# KiCad board data-center-dram-tester.kicad_pcb (continued)
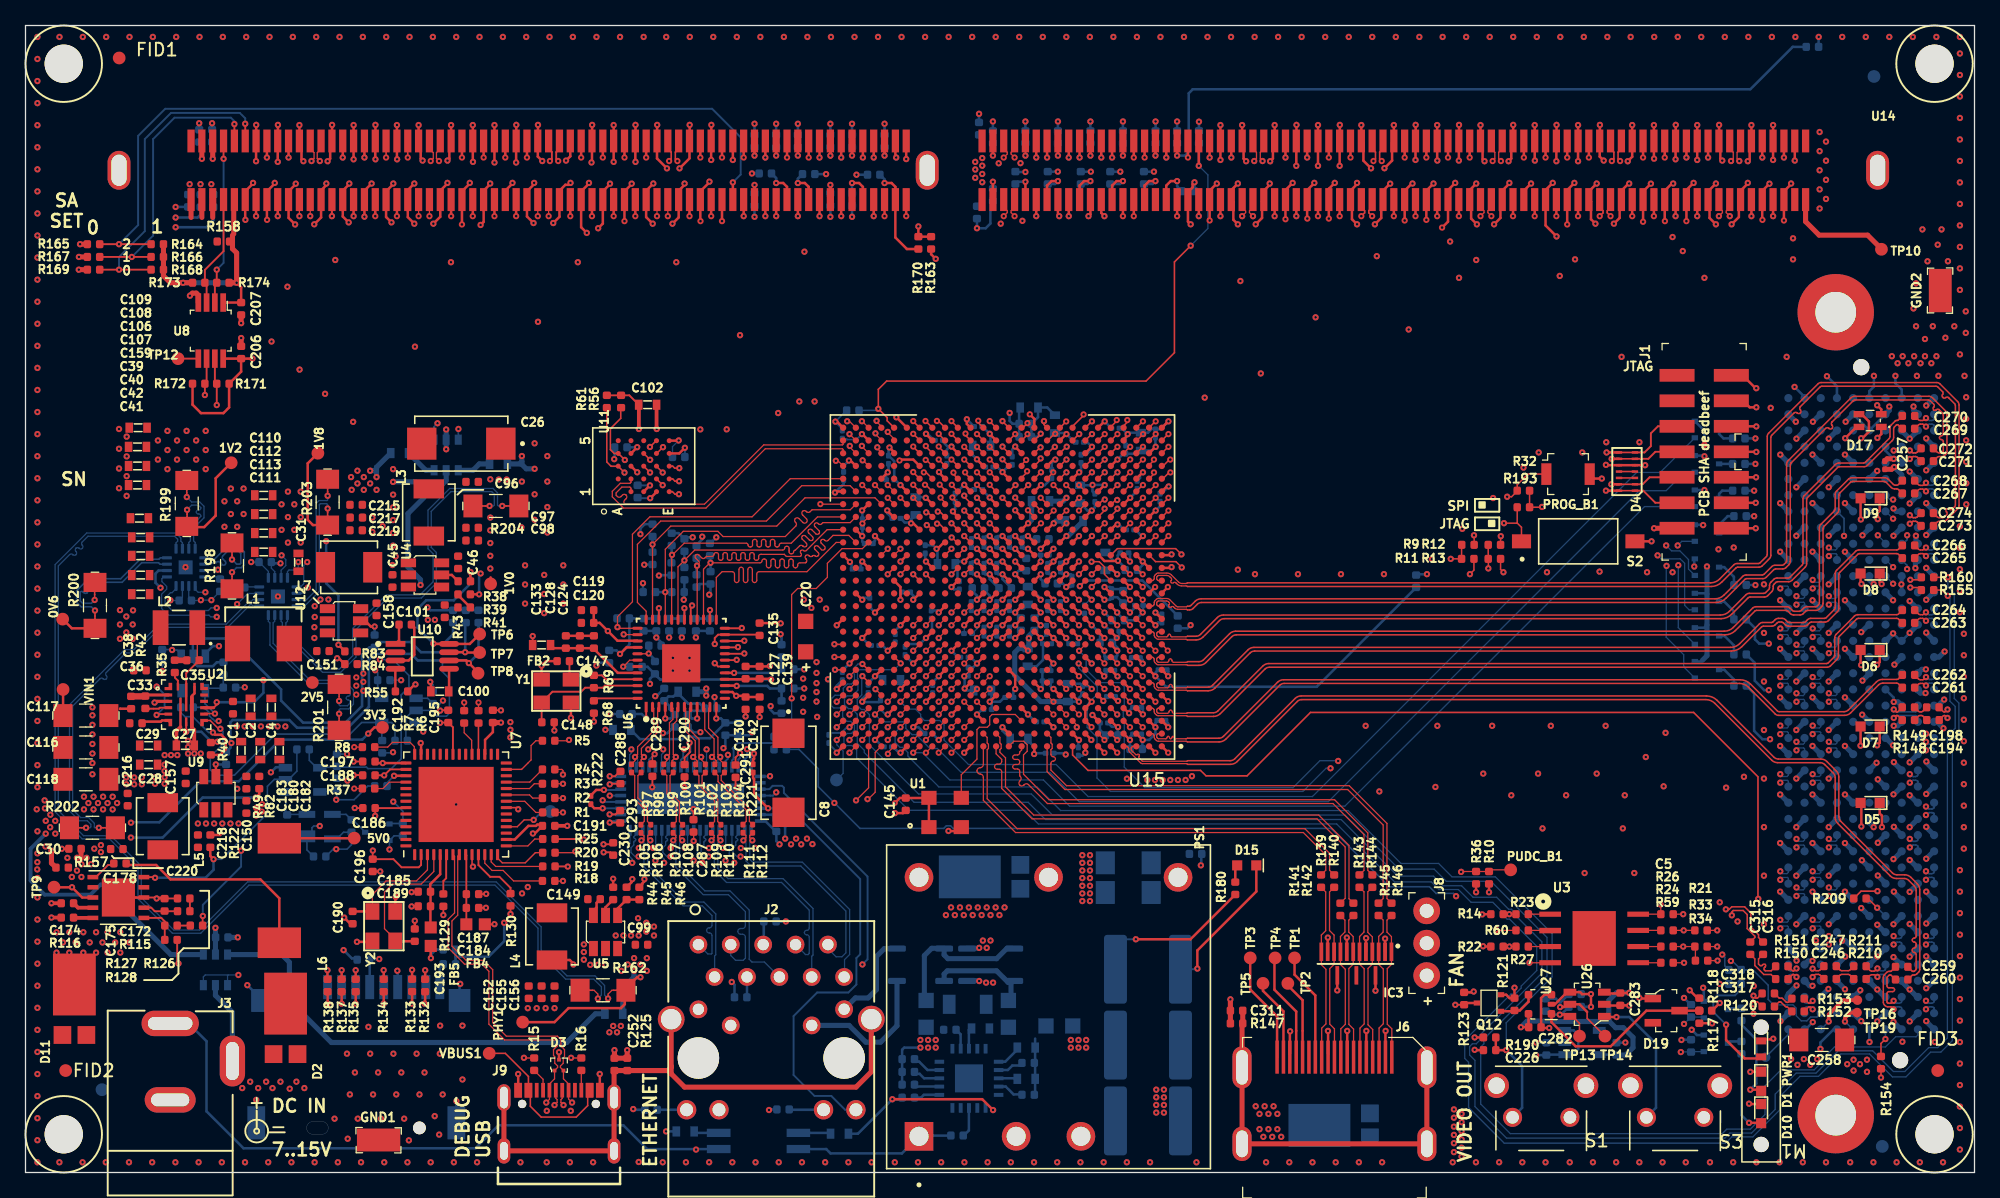
[diagram p0: board, top side]
## Routing (per net, layer and track width the routed paths; a pad name or vN(x,y) marks a point on that pad's centre or on a via; arc(x,y) is an arc through that point) (continued)
DQ42: length 57.9
  Top w0.127: U15.AC16 v2(73.64,55.94)
  Top w0.2: U14.115 v2(37.64,79.64)
  In2.Cu w0.1: 64.81,60.5 64.81,59.4 65.13,59.08 65.13,56.79 65.55,56.36 65.99,56.36 66.57,55.78 67.72,55.78 68.44,55.07 68.81,55.07 69.39,54.48 72.04,54.48 72.24,54.68 72.24,55.03 72.62,55.41 73.11,55.41 v2(73.64,55.94)
  In2.Cu w0.16: v2(37.64,79.64) 37.64,68.57 44.11,62.1 63.55,62.1 64.81,60.84 64.81,60.5
DQ43: length 58.4
  Top w0.127: U15.AB15 v2(74.64,54.94)
  Top w0.2: U14.260 v2(36.79,75.04)
  In2.Cu w0.1: 63.9,60.5 63.9,59.43 64,59.33 64,56.9 64.46,56.44 64.76,56.44 65.15,56.05 65.15,55.65 65.37,55.43 67.71,55.43 68.42,54.72 68.57,54.72 69.14,54.15 69.14,53.79 69.43,53.5 72.8,53.5 73.08,53.79 73.08,54.08 73.55,54.54 74.24,54.54 v2(74.64,54.94)
  In2.Cu w0.16: 63.9,60.5 63.9,60.7 63.4,61.2 59.9,61.2 arc(59.74,61.13) 59.68,60.97 59.68,60.95 arc(59.61,60.79) 59.45,60.72 arc(59.29,60.79) 59.22,60.95 59.22,61.45 arc(59.16,61.61) 59,61.68 arc(58.84,61.61) 58.78,61.45 58.78,60.95 arc(58.71,60.79) 58.55,60.72 arc(58.39,60.79) 58.32,60.95 58.32,60.97 arc(58.26,61.13) 58.1,61.2 43.46,61.2 36.79,67.87 v2(36.79,75.04)
DQ44: length 59.4
  Top w0.127: U15.AC14 v2(75.64,55.94)
  Top w0.2: U14.106 v2(45.29,79.64)
  In2.Cu w0.1: 73.23,60.46 73.17,60.4 73.17,57.87 73.58,57.46 73.91,57.46 74.12,57.25 74.12,56.66 74.3,56.48 74.73,56.48 75.27,55.94 v2(75.64,55.94)
  In2.Cu w0.16: v2(45.29,79.64) 45.29,74.31 49.1,70.5 52.2,70.5 arc(52.38,70.43) 52.45,70.25 52.45,70.2 arc(52.52,70.02) 52.7,69.95 arc(52.88,70.02) 52.95,70.2 52.95,70.8 arc(53.02,70.98) 53.2,71.05 arc(53.38,70.98) 53.45,70.8 53.45,70.2 arc(53.52,70.02) 53.7,69.95 arc(53.88,70.02) 53.95,70.2 53.95,70.8 arc(54.02,70.98) 54.2,71.05 arc(54.38,70.98) 54.45,70.8 54.45,70.2 arc(54.52,70.02) 54.7,69.95 arc(54.88,70.02) 54.95,70.2 54.95,70.8 arc(55.02,70.98) 55.2,71.05 arc(55.38,70.98) 55.45,70.8 55.45,70.2 arc(55.52,70.02) 55.7,69.95 arc(55.88,70.02) 55.95,70.2 55.95,70.8 arc(56.02,70.98) 56.2,71.05 arc(56.38,70.98) 56.45,70.8 56.45,70.2 arc(56.52,70.02) 56.7,69.95 arc(56.88,70.02) 56.95,70.2 56.95,70.8 arc(57.02,70.98) 57.2,71.05 arc(57.38,70.98) 57.45,70.8 57.45,70.2 arc(57.52,70.02) 57.7,69.95 arc(57.88,70.02) 57.95,70.2 57.95,70.25 arc(58.02,70.43) 58.2,70.5 67.8,70.5 73.23,65.07 73.23,60.46
DQ45: length 56.1
  Top w0.127: v2(73.64,56.94) U15.AD16
  Top w0.2: U14.251 v2(44.44,75.04)
  In2.Cu w0.1: v2(73.64,56.94) 73.11,57.47 72.44,57.47 72.13,57.78 72.13,60.47
  In2.Cu w0.16: 72.13,60.47 72.13,61.17 arc(72.05,61.36) 71.85,61.44 71.82,61.44 arc(71.62,61.53) 71.54,61.72 arc(71.62,61.91) 71.82,62 72.44,62 arc(72.64,62.08) 72.72,62.27 arc(72.64,62.46) 72.44,62.55 71.82,62.55 arc(71.62,62.63) 71.54,62.82 arc(71.62,63.01) 71.82,63.09 72.44,63.09 arc(72.64,63.18) 72.72,63.37 arc(72.64,63.56) 72.44,63.64 72.41,63.64 arc(72.21,63.73) 72.13,63.92 72.13,64.57 72.06,64.64 arc(71.86,64.72) 71.67,64.64 71.64,64.61 arc(71.45,64.53) 71.25,64.61 arc(71.17,64.81) 71.25,65 71.7,65.45 arc(71.78,65.64) 71.7,65.83 arc(71.5,65.91) 71.31,65.83 70.87,65.39 arc(70.67,65.31) 70.48,65.39 arc(70.4,65.59) 70.48,65.78 70.92,66.22 arc(71,66.42) 70.92,66.61 arc(70.72,66.69) 70.53,66.61 70.09,66.17 arc(69.89,66.09) 69.7,66.17 arc(69.62,66.36) 69.7,66.56 70.14,67 arc(70.22,67.2) 70.14,67.39 arc(69.95,67.47) 69.75,67.39 69.31,66.95 arc(69.12,66.87) 68.92,66.95 arc(68.84,67.14) 68.92,67.34 69.36,67.78 arc(69.44,67.97) 69.36,68.17 arc(69.17,68.25) 68.97,68.17 68.53,67.73 arc(68.34,67.64) 68.14,67.73 arc(68.06,67.92) 68.14,68.11 68.59,68.56 arc(68.67,68.75) 68.59,68.95 arc(68.39,69.03) 68.2,68.95 68.17,68.92 arc(67.98,68.84) 67.78,68.92 67.2,69.5 48.8,69.5 44.44,73.86 v2(44.44,75.04)
DQ46: length 53
  Top w0.127: U15.AC19 70.66,55.91 v2(70.61,55.91)
  Top w0.2: U14.113 v2(39.34,79.64)
  In2.Cu w0.1: v2(70.61,55.91) 70.6,55.92 69.1,55.92 68.6,56.42 67.58,56.42 67.3,56.7 67.3,57.37 67.14,57.53 67.14,58.68 67.2,58.75 67.2,59.19 66.95,59.45 66.74,59.45 66.46,59.73 66.46,60.48
  In2.Cu w0.16: v2(39.34,79.64) 39.34,69.76 45.08,64.02 55.22,64.02 arc(55.36,63.96) 55.42,63.82 55.42,63.81 arc(55.48,63.67) 55.62,63.61 arc(55.76,63.67) 55.82,63.81 55.82,63.82 arc(55.88,63.96) 56.02,64.02 56.07,64.02 arc(56.21,63.96) 56.27,63.82 56.27,63.77 arc(56.33,63.63) 56.47,63.57 arc(56.61,63.63) 56.67,63.77 56.67,63.82 arc(56.73,63.96) 56.87,64.02 56.92,64.02 arc(57.06,63.96) 57.12,63.82 57.12,63.77 arc(57.18,63.63) 57.32,63.57 arc(57.46,63.63) 57.52,63.77 57.52,63.82 arc(57.58,63.96) 57.72,64.02 63.88,64.02 66.46,61.44 66.46,60.48
DQ47: length 57.9
  Top w0.127: U15.AC17 v2(72.64,55.94)
  Top w0.2: U14.258 v2(38.49,75.04)
  In2.Cu w0.1: 65.65,60.5 65.65,59.82 66.2,59.27 66.2,56.8 66.86,56.14 67.68,56.14 68.39,55.43 72.13,55.43 v2(72.64,55.94)
  In2.Cu w0.16: v2(38.49,75.04) 38.49,69.21 44.66,63.04 58.14,63.04 arc(58.32,63.11) 58.39,63.29 58.39,63.35 arc(58.46,63.52) 58.64,63.6 arc(58.82,63.52) 58.89,63.35 58.89,62.73 arc(58.96,62.56) 59.14,62.48 arc(59.32,62.56) 59.39,62.73 59.39,63.35 arc(59.46,63.52) 59.64,63.6 arc(59.82,63.52) 59.89,63.35 59.89,62.73 arc(59.96,62.56) 60.14,62.48 arc(60.32,62.56) 60.39,62.73 60.39,63.35 arc(60.46,63.52) 60.64,63.6 arc(60.82,63.52) 60.89,63.35 60.89,62.73 arc(60.96,62.56) 61.14,62.48 arc(61.32,62.56) 61.39,62.73 61.39,63.35 arc(61.46,63.52) 61.64,63.6 arc(61.82,63.52) 61.89,63.35 61.89,62.73 arc(61.96,62.56) 62.14,62.48 arc(62.32,62.56) 62.39,62.73 62.39,63.35 arc(62.46,63.52) 62.64,63.6 arc(62.82,63.52) 62.89,63.35 62.89,63.29 arc(62.96,63.11) 63.14,63.04 63.66,63.04 65.65,61.05 65.65,60.5
DQ48: length 68.7
  Top w0.127: v3(74.64,53.96) 74.64,53.94 U15.AA15
  Top w0.2: U14.119 v3(34.24,79.64)
  In5.Cu w0.09: v3(74.64,53.96) 74.13,54.47 73.37,54.47 73.23,54.61 73.23,55.35 71.63,56.94 69.42,56.94 67.84,58.52 64.63,58.52 64.51,58.4 63.3,58.4 62.79,58.91 62.13,58.91
  In5.Cu w0.146: 62.13,58.91 59.09,58.91 58.32,59.68 arc(58.26,59.82) 58.32,59.96 arc(58.38,60.11) 58.32,60.25 58.29,60.28 arc(58.14,60.34) 58,60.28 57.72,60 arc(57.58,59.94) 57.44,60 57.4,60.04 arc(57.34,60.18) 57.4,60.32 57.69,60.6 arc(57.74,60.74) 57.69,60.88 57.65,60.92 arc(57.51,60.98) 57.37,60.92 57.08,60.64 arc(56.94,60.58) 56.8,60.64 56.77,60.67 arc(56.71,60.81) 56.77,60.95 57.05,61.24 arc(57.11,61.38) 57.05,61.52 57.01,61.56 arc(56.87,61.61) 56.73,61.56 56.45,61.27 arc(56.31,61.21) 56.16,61.27 56.13,61.31 arc(56.07,61.45) 56.13,61.59 56.41,61.87 arc(56.47,62.01) 56.41,62.16 56.38,62.19 arc(56.24,62.25) 56.09,62.19 55.81,61.91 arc(55.67,61.85) 55.53,61.91 55.49,61.94 arc(55.43,62.09) 55.49,62.23 55.78,62.51 arc(55.83,62.65) 55.78,62.79 55.74,62.83 arc(55.6,62.89) 55.46,62.83 55.17,62.55 arc(55.03,62.49) 54.89,62.55 54.86,62.58 arc(54.8,62.72) 54.86,62.86 55.14,63.15 arc(55.2,63.29) 55.14,63.43 55.1,63.46 arc(54.96,63.52) 54.82,63.46 54.54,63.18 arc(54.4,63.12) 54.26,63.18 54.22,63.22 arc(54.16,63.36) 54.22,63.5 54.5,63.78 arc(54.56,63.92) 54.5,64.07 54.47,64.1 arc(54.33,64.16) 54.18,64.1 arc(54.04,64.04) 53.9,64.1 53.5,64.5 44.8,64.5 44.66,64.64 arc(44.59,64.81) 44.66,64.99 arc(44.74,65.17) 44.66,65.34 44.59,65.41 arc(44.42,65.49) 44.24,65.41 arc(44.06,65.34) 43.89,65.41 41.09,68.22 arc(41.01,68.39) 41.08,68.57 41.1,68.58 arc(41.17,68.76) 41.1,68.94 arc(40.92,69.01) 40.74,68.94 40.36,68.56 arc(40.19,68.48) 40.01,68.56 arc(39.94,68.73) 40.01,68.91 40.39,69.29 arc(40.46,69.47) 40.39,69.64 arc(40.21,69.72) 40.04,69.64 39.66,69.26 arc(39.48,69.19) 39.3,69.26 arc(39.23,69.44) 39.3,69.62 39.68,70 arc(39.76,70.17) 39.68,70.35 arc(39.51,70.42) 39.33,70.35 39.32,70.34 arc(39.14,70.26) 38.96,70.34 34.24,75.06 v3(34.24,79.64)
DQ49: length 63.5
  Top w0.127: U15.AB17 72.79,54.79 v3(72.79,54.92)
  Top w0.2: U14.264 v3(33.39,75.04)
  In5.Cu w0.09: 62.14,58.3 62.6,58.3 62.9,58 63.56,58 64.04,57.52 68.17,57.52 68.97,56.72 71.31,56.72 72.79,55.25 v3(72.79,54.92)
  In5.Cu w0.146: v3(33.39,75.04) 33.39,74.41 33.61,74.19 arc(33.77,74.13) 33.92,74.19 33.95,74.22 arc(34.11,74.29) 34.27,74.22 arc(34.34,74.06) 34.27,73.9 33.9,73.53 arc(33.83,73.37) 33.9,73.21 arc(34.05,73.14) 34.21,73.21 34.59,73.59 arc(34.75,73.65) 34.91,73.59 arc(34.97,73.43) 34.91,73.27 34.53,72.89 arc(34.47,72.73) 34.53,72.57 arc(34.69,72.51) 34.85,72.57 35.23,72.95 arc(35.39,73.02) 35.54,72.95 arc(35.61,72.79) 35.54,72.63 35.17,72.26 arc(35.1,72.1) 35.17,71.94 arc(35.33,71.87) 35.49,71.94 35.86,72.31 arc(36.02,72.38) 36.18,72.31 arc(36.25,72.15) 36.18,72 35.8,71.62 arc(35.74,71.46) 35.8,71.3 arc(35.96,71.23) 36.12,71.3 36.5,71.68 arc(36.66,71.74) 36.82,71.68 arc(36.88,71.52) 36.82,71.36 36.44,70.98 arc(36.38,70.82) 36.44,70.66 arc(36.6,70.6) 36.76,70.66 37.14,71.04 arc(37.3,71.11) 37.45,71.04 arc(37.52,70.88) 37.45,70.72 37.43,70.69 arc(37.36,70.53) 37.43,70.38 40.69,67.11 arc(40.82,67.06) 40.94,67.11 arc(41.06,67.16) 41.19,67.11 41.26,67.04 arc(41.31,66.91) 41.26,66.79 41.01,66.54 arc(40.96,66.42) 41.01,66.29 41.08,66.22 arc(41.21,66.17) 41.33,66.22 41.58,66.47 arc(41.7,66.52) 41.83,66.47 41.9,66.4 arc(41.95,66.28) 41.9,66.15 41.65,65.9 arc(41.6,65.78) 41.65,65.66 41.72,65.59 arc(41.84,65.53) 41.97,65.59 42.21,65.83 arc(42.34,65.88) 42.46,65.83 42.53,65.76 arc(42.58,65.64) 42.53,65.52 42.28,65.27 arc(42.23,65.14) 42.28,65.02 42.36,64.95 arc(42.48,64.9) 42.6,64.95 42.85,65.2 arc(42.97,65.25) 43.1,65.2 43.17,65.13 arc(43.22,65) 43.17,64.88 42.92,64.63 arc(42.87,64.51) 42.92,64.38 42.99,64.31 arc(43.12,64.26) 43.24,64.31 43.49,64.56 arc(43.61,64.61) 43.73,64.56 43.81,64.49 arc(43.86,64.37) 43.81,64.24 arc(43.75,64.12) 43.81,64 44,63.8 53.14,63.8 58.64,58.3 62.14,58.3
DQ50: length 60.8
  Top w0.127: U15.AA19 70.62,53.96 v3(70.56,53.96) ; U14.126 v3(28.29,79.64)
  In5.Cu w0.09: 62.1,54.6 62.27,54.6 62.75,54.12 68.02,54.12 68.52,54.62 69.25,54.62 69.5,54.37 70.15,54.37 v3(70.56,53.96)
  In5.Cu w0.146: 62.1,54.6 62.1,54.6 56,54.6 51,59.6 39.1,59.6 28.29,70.41 v3(28.29,79.64)
DQ51: length 59.2
  Top w0.127: v3(69.64,53.96) 69.64,53.94 U15.AA20
  Top w0.2: U14.271 v3(27.44,75.04)
  In5.Cu w0.09: 62.17,54 62.4,54 62.63,53.77 68.05,53.77 68.3,53.52 69.2,53.52 v3(69.64,53.96)
  In5.Cu w0.146: 62.17,54 61.36,54 arc(61.15,53.91) 61.06,53.7 arc(60.97,53.49) 60.76,53.4 arc(60.55,53.49) 60.46,53.7 arc(60.37,53.91) 60.16,54 60.04,54 arc(59.83,53.91) 59.74,53.7 arc(59.65,53.49) 59.44,53.4 arc(59.23,53.49) 59.14,53.7 arc(59.05,53.91) 58.84,54 arc(58.63,53.91) 58.54,53.7 arc(58.45,53.49) 58.24,53.4 58.19,53.4 arc(57.98,53.49) 57.89,53.7 arc(57.8,53.91) 57.59,54 arc(57.38,53.91) 57.29,53.7 57.29,53.69 arc(57.2,53.48) 56.99,53.39 arc(56.78,53.48) 56.69,53.69 56.69,53.7 arc(56.6,53.91) 56.39,54 55.43,54 50.53,58.9 38.3,58.9 27.44,69.76 v3(27.44,75.04)
DQ52: length 68.5
  Top w0.127: U15.AA14 75.64,53.94 v3(75.64,53.96)
  Top w0.2: U14.117 v3(35.94,79.64)
  In5.Cu w0.09: v3(75.64,53.96) 73.18,56.41 73.18,57 72.64,57.54 70.01,57.54 69.03,58.52 69.03,59.47 68.15,60.35 62.65,60.35 62.36,60.06 62.12,60.06
  In5.Cu w0.146: v3(35.94,79.64) 35.94,76.36 45.17,67.13 arc(45.33,67.06) 45.49,67.13 45.61,67.25 arc(45.77,67.32) 45.93,67.25 arc(46,67.09) 45.93,66.94 45.36,66.37 arc(45.3,66.21) 45.36,66.05 arc(45.52,65.98) 45.68,66.05 45.81,66.18 arc(45.97,66.24) 46.12,66.17 46.4,65.9 54.5,65.9 54.71,65.69 arc(54.85,65.63) 54.99,65.69 arc(55.14,65.75) 55.28,65.69 arc(55.34,65.55) 55.28,65.41 54.99,65.12 arc(54.94,64.98) 54.99,64.84 arc(55.14,64.78) 55.28,64.84 55.56,65.12 arc(55.7,65.18) 55.84,65.12 arc(55.9,64.98) 55.84,64.84 55.56,64.56 arc(55.5,64.42) 55.56,64.27 arc(55.7,64.22) 55.84,64.27 56.13,64.56 arc(56.27,64.62) 56.41,64.56 arc(56.47,64.42) 56.41,64.27 56.13,63.99 arc(56.07,63.85) 56.13,63.71 arc(56.27,63.65) 56.41,63.71 56.69,63.99 arc(56.83,64.05) 56.97,63.99 arc(57.03,63.85) 56.97,63.71 56.69,63.43 arc(56.63,63.28) 56.69,63.14 arc(56.83,63.08) 56.97,63.14 57.26,63.43 arc(57.4,63.48) 57.54,63.43 arc(57.6,63.28) 57.54,63.14 57.26,62.86 arc(57.2,62.72) 57.26,62.58 arc(57.4,62.52) 57.54,62.58 57.82,62.86 arc(57.96,62.92) 58.11,62.86 arc(58.16,62.72) 58.11,62.58 57.82,62.29 arc(57.76,62.15) 57.82,62.01 arc(57.96,61.95) 58.11,62.01 58.39,62.29 arc(58.53,62.35) 58.67,62.29 arc(58.73,62.15) 58.67,62.01 58.39,61.73 arc(58.33,61.59) 58.39,61.45 arc(58.53,61.39) 58.67,61.45 58.95,61.73 arc(59.1,61.79) 59.24,61.73 arc(59.3,61.59) 59.24,61.45 58.95,61.16 arc(58.9,61.02) 58.95,60.88 arc(59.1,60.82) 59.24,60.88 59.52,61.16 arc(59.66,61.22) 59.8,61.16 arc(59.86,61.02) 59.8,60.88 59.52,60.6 arc(59.46,60.46) 59.52,60.31 arc(59.66,60.26) 59.8,60.32 arc(59.94,60.37) 60.09,60.31 60.34,60.06 62.12,60.06 62.12,60.06
DQ53: length 62.7
  Top w0.127: v3(73.7,54.94) 73.7,54.87 U15.AB16
  Top w0.2: U14.262 v3(35.09,75.04)
  In5.Cu w0.09: v3(73.7,54.94) 73.7,55.3 71.79,57.22 69.77,57.22 67.49,59.5 62,59.5
  In5.Cu w0.146: v3(35.09,75.04) 35.76,75.04 42.61,68.19 arc(42.69,68.01) 42.61,67.83 arc(42.54,67.66) 42.61,67.48 42.62,67.48 arc(42.79,67.41) 42.97,67.48 43.32,67.83 arc(43.5,67.91) 43.67,67.83 43.67,67.83 arc(43.75,67.66) 43.67,67.48 43.32,67.13 arc(43.25,66.95) 43.32,66.77 43.32,66.77 arc(43.5,66.7) 43.67,66.77 44.03,67.13 arc(44.2,67.2) 44.38,67.13 44.38,67.12 arc(44.45,66.95) 44.38,66.77 44.2,66.6 44.21,66.59 44.03,66.42 arc(43.96,66.24) 44.03,66.07 44.03,66.06 arc(44.21,65.99) 44.38,66.06 44.38,66.07 arc(44.56,66.14) 44.74,66.06 45.6,65.2 46.03,65.2 arc(46.17,65.14) 46.23,65 arc(46.29,64.86) 46.43,64.8 46.48,64.8 arc(46.62,64.86) 46.68,65 46.68,65.4 arc(46.74,65.54) 46.88,65.6 46.93,65.6 arc(47.07,65.54) 47.13,65.4 47.13,65 arc(47.19,64.86) 47.33,64.8 47.38,64.8 arc(47.52,64.86) 47.58,65 47.58,65.4 arc(47.64,65.54) 47.78,65.6 47.83,65.6 arc(47.97,65.54) 48.03,65.4 48.03,65 arc(48.09,64.86) 48.23,64.8 48.28,64.8 arc(48.42,64.86) 48.48,65 48.48,65.4 arc(48.54,65.54) 48.68,65.6 48.73,65.6 arc(48.87,65.54) 48.93,65.4 48.93,65 arc(48.99,64.86) 49.13,64.8 49.18,64.8 arc(49.32,64.86) 49.38,65 49.38,65.4 arc(49.44,65.54) 49.58,65.6 49.63,65.6 arc(49.77,65.54) 49.83,65.4 49.83,65 arc(49.89,64.86) 50.03,64.8 50.08,64.8 arc(50.22,64.86) 50.28,65 50.28,65.4 arc(50.34,65.54) 50.48,65.6 50.53,65.6 arc(50.67,65.54) 50.73,65.4 50.73,65 arc(50.79,64.86) 50.93,64.8 50.98,64.8 arc(51.12,64.86) 51.18,65 51.18,65.4 arc(51.24,65.54) 51.38,65.6 51.43,65.6 arc(51.57,65.54) 51.63,65.4 51.63,65 arc(51.69,64.86) 51.83,64.8 51.88,64.8 arc(52.02,64.86) 52.08,65 52.08,65.4 arc(52.14,65.54) 52.28,65.6 52.33,65.6 arc(52.47,65.54) 52.53,65.4 52.53,65 arc(52.59,64.86) 52.73,64.8 52.78,64.8 arc(52.92,64.86) 52.98,65 52.98,65.4 arc(53.04,65.54) 53.18,65.6 53.23,65.6 arc(53.37,65.54) 53.43,65.4 arc(53.49,65.26) 53.63,65.2 54.07,65.2 59.77,59.5 62,59.5
DQ54: length 58.6
  Top w0.127: U14.124 v3(29.99,79.64) ; v3(70.47,54.94) 70.64,54.94 U15.AB19
  In5.Cu w0.09: v3(70.47,54.94) 70.03,55.37 69.46,55.37 69.29,55.2 68.1,55.2 67.95,55.35 67.46,55.35 66.94,54.83 63.07,54.83 62.21,55.7 62.1,55.7
  In5.Cu w0.146: 62.1,55.7 56.99,55.7 arc(56.85,55.76) 56.71,55.7 56.7,55.69 arc(56.56,55.64) 56.42,55.69 arc(56.36,55.84) 56.42,55.98 56.42,55.98 arc(56.48,56.12) 56.42,56.27 51.69,61 40.7,61 29.99,71.71 v3(29.99,79.64)
DQ55: length 59.3
  Top w0.127: v3(69.64,54.96) 69.64,54.94 U15.AB20
  Top w0.2: U14.269 v3(29.14,75.04)
  In5.Cu w0.09: 62.1,55.2 62.25,55.2 62.93,54.52 67.97,54.52 68.41,54.96 v3(69.64,54.96)
  In5.Cu w0.146: 62.1,55.2 56.43,55.2 56.24,55.39 56.24,55.39 arc(56.11,55.44) 55.99,55.39 arc(55.87,55.34) 55.74,55.39 55.71,55.43 arc(55.66,55.55) 55.71,55.67 55.95,55.92 arc(56.01,56.04) 55.95,56.17 55.92,56.2 arc(55.8,56.25) 55.67,56.2 55.42,55.96 arc(55.3,55.9) 55.18,55.96 55.14,55.99 arc(55.09,56.11) 55.14,56.24 55.39,56.49 arc(55.44,56.61) 55.39,56.73 55.35,56.77 arc(55.23,56.82) 55.11,56.77 54.86,56.52 arc(54.73,56.47) 54.61,56.52 54.58,56.56 arc(54.52,56.68) 54.58,56.8 54.82,57.05 arc(54.87,57.18) 54.82,57.3 54.79,57.33 arc(54.66,57.39) 54.54,57.33 54.29,57.09 arc(54.17,57.04) 54.05,57.09 54.01,57.12 arc(53.96,57.25) 54.01,57.37 54.26,57.62 arc(54.31,57.74) 54.26,57.86 54.22,57.9 arc(54.1,57.95) 53.97,57.9 arc(53.85,57.85) 53.73,57.9 53.61,58.02 53.61,58.26 53.09,58.78 arc(52.93,58.85) 52.77,58.78 52.69,58.69 arc(52.53,58.63) 52.37,58.69 arc(52.3,58.85) 52.37,59.01 52.45,59.1 arc(52.52,59.26) 52.45,59.42 arc(52.28,59.49) 52.1,59.42 arc(51.92,59.34) 51.75,59.42 arc(51.67,59.59) 51.75,59.77 arc(51.82,59.95) 51.75,60.12 51.57,60.3 39.9,60.3 29.14,71.06 v3(29.14,75.04)
DQ56: length 80.7
  Top w0.127: U15.V14 v1(75.64,50.94)
  Top w0.2: U14.130 v1(24.89,79.64)
  In9.Cu w0.1: 72.6,60.48 72.6,58.34 73.36,57.58 73.36,55.08 74.1,54.34 74.1,52.8 74.4,52.5 74.88,52.5 75.14,52.24 75.14,51.6 75.64,51.1 v1(75.64,50.94)
  In9.Cu w0.16: v1(24.89,79.64) 24.89,73.91 30.5,68.3 56.95,68.3 57.21,68.04 arc(57.28,67.87) 57.21,67.69 56.9,67.38 arc(56.83,67.2) 56.9,67.03 arc(57.08,66.95) 57.25,67.03 58.22,68 arc(58.4,68.07) 58.58,68 arc(58.65,67.82) 58.58,67.64 57.61,66.67 arc(57.53,66.5) 57.61,66.32 arc(57.78,66.25) 57.96,66.32 58.93,67.29 arc(59.11,67.36) 59.28,67.29 arc(59.36,67.11) 59.28,66.94 58.97,66.63 arc(58.9,66.45) 58.97,66.28 59.15,66.1 70.7,66.1 72.6,64.2 72.6,60.48
DQ57: length 80.2
  Top w0.127: U15.Y16 74.14,52.52 73.64,53.02 v1(73.64,53.11)
  Top w0.16: v1(24.04,75.04) U14.275
  In9.Cu w0.1: v1(73.64,53.11) 73.1,53.65 73.1,57.17 72.3,57.97 72.3,59.94 72.08,60.16 72.08,60.46
  In9.Cu w0.16: 72.08,60.46 72.08,63.75 70.53,65.3 57.65,65.3 55.5,67.45 51.36,67.45 arc(51.18,67.38) 51.11,67.2 51.1,67.18 arc(51.04,67.02) 50.88,66.95 arc(50.72,67.02) 50.66,67.18 50.66,67.72 arc(50.59,67.88) 50.43,67.95 arc(50.27,67.88) 50.21,67.72 50.21,67.18 arc(50.14,67.02) 49.98,66.95 arc(49.82,67.02) 49.75,67.18 49.75,67.72 arc(49.69,67.88) 49.53,67.95 arc(49.37,67.88) 49.31,67.72 49.31,67.18 arc(49.24,67.02) 49.08,66.95 arc(48.92,67.02) 48.85,67.18 48.85,67.72 arc(48.79,67.88) 48.63,67.95 arc(48.47,67.88) 48.41,67.72 48.41,67.18 arc(48.34,67.02) 48.18,66.95 arc(48.02,67.02) 47.96,67.18 47.96,67.72 arc(47.89,67.88) 47.73,67.95 arc(47.57,67.88) 47.5,67.72 47.5,67.18 arc(47.44,67.02) 47.28,66.95 arc(47.12,67.02) 47.06,67.18 47.06,67.72 arc(46.99,67.88) 46.83,67.95 arc(46.67,67.88) 46.6,67.72 46.6,67.18 arc(46.54,67.02) 46.38,66.95 arc(46.22,67.02) 46.16,67.18 46.16,67.72 arc(46.09,67.88) 45.93,67.95 arc(45.77,67.88) 45.71,67.72 45.71,67.18 arc(45.64,67.02) 45.48,66.95 arc(45.32,67.02) 45.25,67.18 45.25,67.72 arc(45.19,67.88) 45.03,67.95 arc(44.87,67.88) 44.81,67.72 44.81,67.18 arc(44.74,67.02) 44.58,66.95 arc(44.42,67.02) 44.35,67.18 44.35,67.72 arc(44.29,67.88) 44.13,67.95 arc(43.97,67.88) 43.91,67.72 43.91,67.67 arc(43.84,67.52) 43.68,67.45 43.5,67.45 43.3,67.25 29.65,67.25 24.04,72.86 v1(24.04,75.04)
DQ58: length 76.8
  Top w0.127: U15.W19 70.78,51.8 v1(70.66,51.8)
  Top w0.2: U14.137 v1(18.94,79.64)
  In9.Cu w0.1: 68.61,60.45 68.6,60.44 68.6,60 68.75,59.85 68.75,58.45 68.6,58.3 68.6,55.09 70.2,53.49 70.2,52.26 v1(70.66,51.8)
  In9.Cu w0.16: v1(18.94,79.64) 18.94,68.75 27.29,60.4 57.1,60.4 58.2,61.5 68.12,61.5 68.61,61.01 68.61,60.45
DQ59: length 75.2
  Top w0.127: v1(70.7,50.8) 70.78,50.8 U15.V19
  Top w0.2: U14.282 v1(18.09,75.04)
  In9.Cu w0.1: 68.09,60.45 68.09,60.09 67.85,59.85 67.85,58.7 68.27,58.28 68.27,54.9 69.7,53.47 69.7,51.8 v1(70.7,50.8)
  In9.Cu w0.16: v1(18.09,75.04) 18.09,68.06 26.75,59.4 56.4,59.4 arc(56.63,59.3) 56.72,59.08 56.72,58.95 arc(56.82,58.72) 57.05,58.62 arc(57.28,58.72) 57.38,58.95 57.38,59.08 arc(57.47,59.3) 57.7,59.4 57.9,59.4 59.45,60.95 67.59,60.95 68.09,60.45
DQ60: length 80.8
  Top w0.127: U15.W14 v1(75.64,51.94)
  Top w0.2: U14.128 v1(26.59,79.64)
  In9.Cu w0.1: v1(75.64,51.94) 75.64,52.32 75.1,52.86 75.1,54.5 73.95,55.65 73.95,57.52 74.03,57.61 74.03,58.12 73.44,58.71 73.44,59.96 73.6,60.12 73.6,60.46
  In9.Cu w0.16: 73.6,60.46 73.6,65.2 71.1,67.7 61.45,67.7 61.15,68 arc(61.08,68.18) 61.15,68.35 61.47,68.67 arc(61.54,68.85) 61.47,69.03 arc(61.29,69.1) 61.11,69.03 60.12,68.04 arc(59.95,67.96) 59.77,68.04 arc(59.7,68.21) 59.77,68.39 60.76,69.38 arc(60.83,69.56) 60.76,69.73 arc(60.58,69.81) 60.41,69.73 59.42,68.74 arc(59.24,68.67) 59.06,68.74 arc(58.99,68.92) 59.06,69.1 60.05,70.09 arc(60.13,70.26) 60.05,70.44 arc(59.88,70.51) 59.7,70.44 59.38,70.12 arc(59.21,70.05) 59.03,70.12 58.64,70.51 58.36,70.51 arc(58.15,70.6) 58.06,70.81 58.06,71.04 arc(57.97,71.25) 57.76,71.34 arc(57.55,71.25) 57.46,71.04 57.46,70.81 arc(57.37,70.6) 57.16,70.51 32.09,70.51 26.59,76.01 v1(26.59,79.64)
DQ61: length 79.8
  Top w0.127: U15.Y15 v1(74.64,52.94)
  Top w0.2: U14.273 v1(25.74,75.04)
  In9.Cu w0.1: v1(74.64,52.94) 74.64,54.35 74.61,54.35 73.64,55.32 73.64,57.78 73.18,58.24 73.18,59.98 73.1,60.06 73.1,60.47
  In9.Cu w0.16: 73.1,60.47 73.1,64.7 71,66.8 60.45,66.8 57.85,69.4 arc(57.66,69.48) 57.57,69.67 57.57,69.82 arc(57.49,70.02) 57.3,70.1 arc(57.11,70.02) 57.03,69.82 57.03,68.98 arc(56.94,68.78) 56.75,68.7 arc(56.56,68.78) 56.47,68.98 56.47,69.82 arc(56.39,70.02) 56.2,70.1 arc(56.01,70.02) 55.93,69.82 55.93,68.98 arc(55.84,68.78) 55.65,68.7 arc(55.46,68.78) 55.38,68.98 55.38,69.82 arc(55.29,70.02) 55.1,70.1 arc(54.91,70.02) 54.82,69.82 54.82,68.98 arc(54.74,68.78) 54.55,68.7 arc(54.36,68.78) 54.28,68.98 54.28,69.82 arc(54.19,70.02) 54,70.1 arc(53.81,70.02) 53.72,69.82 53.72,68.98 arc(53.64,68.78) 53.45,68.7 arc(53.26,68.78) 53.18,68.98 53.18,69.82 arc(53.09,70.02) 52.9,70.1 arc(52.71,70.02) 52.62,69.82 52.62,68.98 arc(52.54,68.78) 52.35,68.7 arc(52.16,68.78) 52.07,68.98 52.07,69.82 arc(51.99,70.02) 51.8,70.1 arc(51.61,70.02) 51.53,69.82 51.53,68.98 arc(51.44,68.78) 51.25,68.7 arc(51.06,68.78) 50.97,68.98 50.97,69.12 arc(50.89,69.32) 50.7,69.4 31.3,69.4 25.74,74.96 v1(25.74,75.04)
DQ62: length 76.8
  Top w0.127: U15.W18 71.72,51.86 v1(71.56,51.86)
  Top w0.2: U14.135 v1(20.64,79.64)
  In9.Cu w0.1: v1(71.56,51.86) 71.56,53.35 69.46,55.45 69.46,59.41 69.55,59.5 69.55,60.45
  In9.Cu w0.16: 69.55,60.45 69.55,62.01 68.86,62.7 55.7,62.7 55.4,62.4 53,62.4 arc(52.81,62.32) 52.72,62.12 52.72,62.07 arc(52.64,61.87) 52.45,61.79 arc(52.26,61.87) 52.18,62.07 52.18,62.73 arc(52.09,62.93) 51.9,63.01 arc(51.71,62.93) 51.62,62.73 51.62,62.67 arc(51.54,62.48) 51.35,62.4 28.48,62.4 20.64,70.24 v1(20.64,79.64)
DQ63: length 75.7
  Top w0.127: U15.V18 71.66,50.91 v1(71.51,50.91)
  Top w0.2: U14.280 v1(19.79,75.04)
  In9.Cu w0.1: 69.05,60.47 69.05,59.5 69.03,59.48 69.03,55.27 71.06,53.24 71.06,51.36 v1(71.51,50.91)
  In9.Cu w0.16: v1(19.79,75.04) 19.79,69.44 27.83,61.4 53.05,61.4 arc(53.24,61.32) 53.32,61.12 arc(53.41,60.93) 53.6,60.85 arc(53.79,60.93) 53.88,61.12 53.88,61.68 arc(53.96,61.87) 54.15,61.95 arc(54.34,61.87) 54.43,61.68 54.43,61.12 arc(54.51,60.93) 54.7,60.85 arc(54.89,60.93) 54.97,61.12 54.97,61.67 arc(55.06,61.87) 55.25,61.95 arc(55.44,61.87) 55.53,61.68 arc(55.61,61.48) 55.8,61.4 56.3,61.4 57,62.1 68.5,62.1 69.05,61.55 69.05,60.47
DQS0_N: length 76.1
  Top w0.1: U14.152 133.69,75.72 133.41,75.45 133.41,75.31 v1(133.69,75.04)
  Top w0.127: U15.Y5 85.19,52.44 85.52,52.77 v1(85.64,52.77)
  In9.Cu w0.1: v1(85.64,52.77) 85.36,52.77 85.28,52.85 85.28,53.12 85.41,53.25 85.94,53.25 86.11,53.42 89.07,53.42 89.42,53.06 91.18,53.06 91.2,53.05
  In9.Cu w0.143: v1(133.69,75.04) 133.41,74.77 133.41,70.6 129.16,66.35 110.56,66.35 100.9,56.68 arc(100.54,56.54) 100.19,56.68 99.92,56.95 arc(99.78,57.01) 99.64,56.95 arc(99.58,56.81) 99.64,56.67 100.67,55.64 arc(100.82,55.28) 100.67,54.93 arc(100.32,54.78) 99.96,54.93 98.93,55.96 arc(98.79,56.02) 98.65,55.96 arc(98.59,55.82) 98.65,55.68 99.68,54.65 arc(99.83,54.29) 99.68,53.94 arc(99.33,53.79) 98.97,53.94 97.94,54.97 arc(97.8,55.03) 97.66,54.97 arc(97.6,54.83) 97.66,54.69 98.69,53.66 arc(98.84,53.3) 98.69,52.95 arc(98.34,52.8) 97.98,52.95 97.71,53.22 arc(97.57,53.28) 97.43,53.22 97.26,53.05 94.61,53.05 arc(94.47,52.99) 94.41,52.85 94.41,52.81 arc(94.35,52.66) 94.21,52.61 arc(94.07,52.66) 94.01,52.81 94.01,52.85 arc(93.95,52.99) 93.81,53.05 arc(93.67,52.99) 93.61,52.85 93.61,52.81 arc(93.55,52.66) 93.41,52.61 arc(93.27,52.66) 93.21,52.81 93.21,52.85 arc(93.15,52.99) 93.01,53.05 arc(92.87,52.99) 92.81,52.85 92.81,52.81 arc(92.75,52.66) 92.61,52.61 arc(92.47,52.66) 92.41,52.81 92.41,52.85 arc(92.35,52.99) 92.21,53.05 arc(92.07,52.99) 92.01,52.85 92.01,52.81 arc(91.95,52.66) 91.81,52.61 arc(91.67,52.66) 91.61,52.81 91.61,52.85 arc(91.55,52.99) 91.41,53.05 91.2,53.05
